# Altium PCB TIDA-01576_ADS8686S_ISO_Interface.PcbDoc (part 2 of 4)
Units mil, origin at the board's own origin, x right, y up, seen from the top; angles counter-clockwise.
Board outline 6102.36 x 3937.01 mil, 4 copper layers (Top Layer, VCC, GND, Bottom Layer), stack 61.6 mil thick; 358 components, 188 nets, 975 pads, 367 vias.
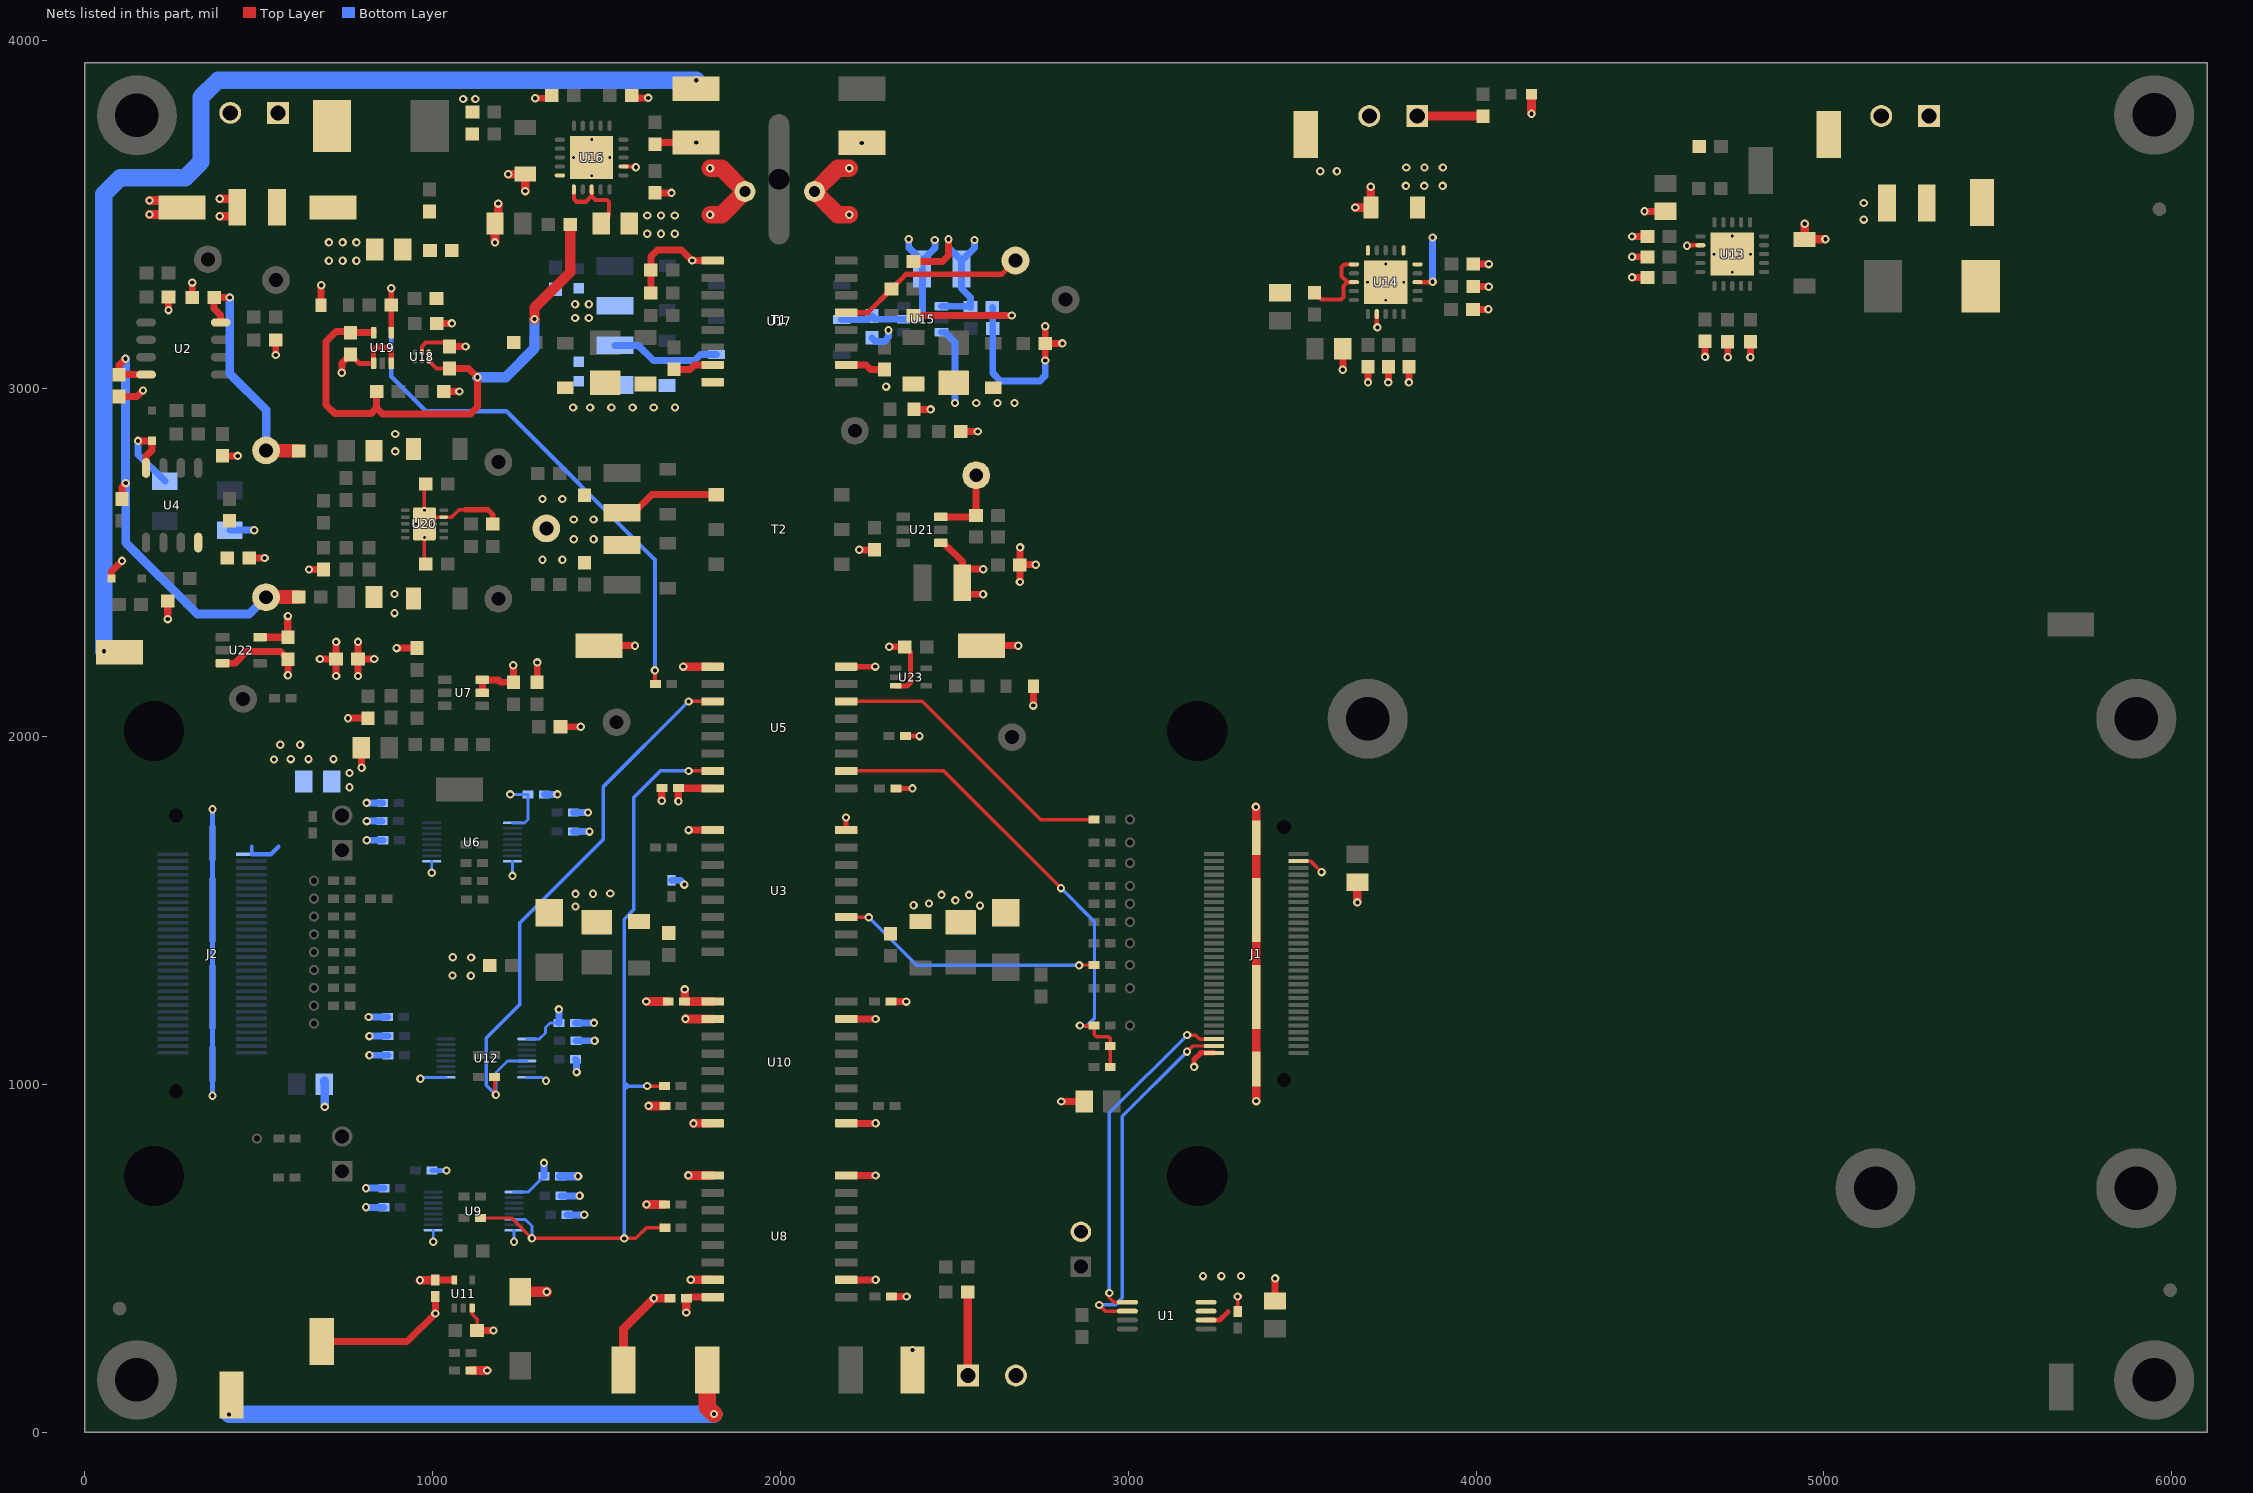
[diagram p4: the nets of this part, all layers, seen from the top]

## Part data
C1 C2 C3 C4 C5: "CAP, CERM, 10 µF, 10 V, +/- 10%, X7R, 0805", Cap_Case=0805, Manufacturer=MuRata, Supplier Part Number 1=490-3905-1-ND, TempCo=X7R, Tolerance_%=10, Value1="0.003 ohm", Value2=10V, ValueDisplayed=10µF, AEC Category=Q200, AEC Qualified=?, Cap_F=0.00001, ComponentLink1Description="Datasheet link", ComponentLink1URL=http://search.murata.co.jp/Ceramy/PnsearchViewAction.do?HnOFG=ON&HnNFG=ON&SEL_CNT=50&sLang=en&sKey=GRM21BR71A106KE51L&x=9&y=9&search=startwith, CompType=Capacitor, ESR_ohm=0.003, LatestRevisionDate=2015-11-13, MountType=SMT, PackageReference=0805, PartNumber=GRM21BR71A106KE51L, Polarized=N, Published=2008-06-19, Publisher="Texas Instruments", RoHS=Y, Supplier 1=Digi-Key, Supplier 2=Mouser, Supplier 3=Farnell, Supplier Part Number 2=81-GRM21BR71A106KE51, Supplier Part Number 3=1828828, SymbolVersion=2008-07-09, TaMax_C=125, TaMin_C=-55, Technology=Ceramic, U/M=EA, VDC_V=10
C6 C18 C19 C20 C22 C26 C27 C28 C29 C30 C31 C32 C34 C35: "CAP, CERM, 0.1 µF, 16 V, +/- 10%, X7R, 0402", Cap_Case=0402, Manufacturer=MuRata, Supplier Part Number 1=490-3261-1-ND, TempCo=X7R, Tolerance_%=10, Value1=Unknown, Value2=16V, ValueDisplayed=0.1µF, Cap_F=0.0000001, ComponentLink1Description="Datasheet link", ComponentLink1URL=http://search.murata.co.jp/Ceramy/PnsearchViewAction.do?HnOFG=ON&HnNFG=ON&SEL_CNT=50&sLang=en&sKey=GRM155R71C104KA88D&x=9&y=9&search=startwith, CompType=Capacitor, MountType=SMT, PackageReference=0402, PartNumber=GRM155R71C104KA88D, Polarized=N, Published=2008-06-19, Publisher="Texas Instruments", RoHS=Y, Supplier 1=Digi-Key, Supplier 2=Mouser, Supplier 3=Farnell, Supplier Part Number 2=81-GRM155R71C104KA88, Supplier Part Number 3=8819742, SymbolVersion=2008-07-09, TaMax_C=125, TaMin_C=-55, Technology=Ceramic, U/M=EA, VDC_V=16
  C6 C18 C19 C20 C22 C26 C27 C28 C29 C31 C32 C34 C35: LatestRevisionDate=2015-07-09
  C30: AEC Category=Q200, AEC Qualified=?, LatestRevisionDate=2015-08-22
C7 C9 C11: "CAP, CERM, 0.1uF, 25V, +/-5%, X7R, 0603", Cap_Case=0603, Manufacturer=AVX, Supplier Part Number 1=478-3713-1-ND, TempCo=X7R, Tolerance_%=5, Value1="0.05 ohm", Value2=25V, ValueDisplayed=0.1µF, Cap_F=0.0000001, ComponentLink1Description="Datasheet link", ComponentLink1URL=http://www.avx.com/docs/masterpubs/smccp.pdf, CompType=Capacitor, ESR_ohm=0.05, LatestRevisionDate=2013-12-06, MountType=SMT, PackageReference=0603, PartNumber=06033C104JAT2A, Polarized=N, Published=2008-06-19, Publisher="Texas Instruments", RoHS=Y, Supplier 1=Digi-Key, Supplier 2=Mouser, Supplier 3=Farnell, Supplier Part Number 2=581-06033C104JAT2A, Supplier Part Number 3=1740614, SymbolVersion=2008-07-09, TaMax_C=125, TaMin_C=-55, Technology=Ceramic, U/M=EA, VDC_V=25
C8 C17: library part C1608C0G1E103J, "CAP, CERM, 0.01uF, 25V, +/-5%, C0G/NP0, 0603", Cap_Case=0603, Manufacturer=TDK, Supplier Part Number 1=445-2664-1-ND, TempCo=C0G/NP0, Tolerance_%=5, Value1=Unknown, Value2=25V, ValueDisplayed=0.01µF, Cap_F=0.00000001, ComponentLink1Description="Datasheet link", ComponentLink1URL=http://www.tdk.co.jp/tefe02/e412_c.pdf, CompType=Capacitor, LatestRevisionDate=2013-12-06, MountType=SMT, PackageReference=0603, PartNumber=C1608C0G1E103J080AA, Polarized=N, Published=2008-06-19, Publisher="Texas Instruments", RoHS=Y, Supplier 1=Digi-Key, Supplier 2=Farnell, Supplier Part Number 2=1844146, SymbolVersion=2008-07-09, TaMax_C=125, TaMin_C=-55, Technology=Ceramic, U/M=EA, VDC_V=25
C10 C13 C55 C58: "CAP, CERM, 0.1uF, 50V, +/-10%, X7R, 0603", Cap_Case=0603, Manufacturer=Kemet, Supplier Part Number 1=399-5089-1-ND, TempCo=X7R, Tolerance_%=10, Value1=Unknown, Value2=50V, ValueDisplayed=0.1µF, Cap_F=0.0000001, ComponentLink1Description="Datasheet link", ComponentLink1URL=http://www.kemet.com/kemet/web/homepage/kechome.nsf/vapubfiles/F3102_Y5V.pdf/$file/F3102_Y5V.pdf, CompType=Capacitor, LatestRevisionDate=2013-12-06, MountType=SMT, PackageReference=0603, PartNumber=C0603C104K5RACTU, Polarized=N, Published=2008-06-19, Publisher="Texas Instruments", RoHS=Y, Supplier 1=Digi-Key, Supplier 2=Mouser, Supplier 3=Farnell, Supplier Part Number 2=80-C0603C104K5R, Supplier Part Number 3=1288255, SymbolVersion=2008-07-09, TaMax_C=125, TaMin_C=-55, Technology=Ceramic, U/M=EA, VDC_V=50
C12 C14 C56 C59: library part 293D106X9016B2TE3, "CAP, TA, 10 µF, 16 V, +/- 10%, 2 ohm, SMD", Cap_Case=B, Manufacturer=Vishay-Sprague, Supplier Part Number 1=399-3706-1-ND, Tolerance_%=10, Value1="2 ohm", Value2=16V, ValueDisplayed=10µF, Cap_F=0.00001, ComponentLink1Description="Datasheet link", ComponentLink1URL=http://www.vishay.com/docs/40002/293d.pdf, CompType=Capacitor, ESR_ohm=2, IRMS_A=0.21, LatestRevisionDate=2014-08-11, LatestRevisionNote="Updated supplier links", MountType=SMT, PackageReference=3528-21, PartNumber=T491B106K016AT, Polarized=Y, Publisher="Texas Instruments", RoHS=Y, Series=293D, Supplier 1=Digi-Key, SymbolVersion=2008-07-09, TaMax_C=125, TaMin_C=-55, Technology=TA, U/M=EA, VDC_V=16
C15 C16 C57 C60: "CAP, CERM, 10 µF, 50 V, +/- 10%, X5R, 1206", Cap_Case=1206, Manufacturer=MuRata, Supplier Part Number 1=490-5961-1-ND, TempCo=X5R, Tolerance_%=10, Value1=Unknown, Value2=50V, ValueDisplayed=10µF, AEC Category=Q200, AEC Grade=N/A, AEC Qualified=N, Cap_F=0.00001, ComponentLink1Description="Datasheet link", ComponentLink1URL=http://search.murata.co.jp/Ceramy/image/img/A01X/G101/ENG/GRM31CR61H106KA12-01.pdf, CompType=Capacitor, LatestRevisionDate=2016-10-28, MountType=SMT, PackageReference=1206, PartNumber=GRM31CR61H106KA12L, Polarized=N, Published=2008-06-19, Publisher="Texas Instruments", RoHS=Y, SizeArea_mm2=5.12, SizeAreaWB_mm2=10.92, SizeX_mm=3.2, SizeY_mm=1.6, SizeZ_mm=1.8, Supplier 1=Digi-Key, Supplier 2=Mouser, Supplier 3=Farnell, Supplier Part Number 2=81-GRM31CR61H106KA2L, Supplier Part Number 3=1845762RL, SymbolVersion=2008-07-09, TaMax_C=85, TaMin_C=-55, Technology=Ceramic, U/M=EA, VDC_V=50
C21 C33: "CAP, CERM, 1 µF, 25 V, +/- 10%, X7R, 0603", Cap_Case=0603, Manufacturer=MuRata, Supplier Part Number 1=490-5307-1-ND, TempCo=X7R, Tolerance_%=10, Value1=Unknown, Value2=25V, ValueDisplayed=1µF, AEC Category=Q200, AEC Qualified=?, Cap_F=0.000001, ComponentLink1Description="Datasheet link", ComponentLink1URL=http://search.murata.co.jp/Ceramy/PnsearchViewAction.do?HnOFG=ON&HnNFG=ON&SEL_CNT=50&sLang=en&sKey=GRM188R71E105KA12D&x=9&y=9&search=startwith, CompType=Capacitor, MountType=SMT, PackageReference=0603, PartNumber=GRM188R71E105KA12D, Polarized=N, Published=2008-06-19, Publisher="Texas Instruments", RoHS=Y, Supplier 1=Digi-Key, Supplier 2=Mouser, Supplier 3=Farnell, Supplier Part Number 2=81-GRM188R71E105KA2D, Supplier Part Number 3=1735540, SymbolVersion=2008-07-09, TaMax_C=125, TaMin_C=-55, Technology=Ceramic, U/M=EA, VDC_V=25
  C21: LatestRevisionDate=2015-08-18
  C33: LatestRevisionDate=2015-08-22
C23: "CAP, CERM, 15 pF, 50 V, +/- 5%, C0G/NP0, 0603", Cap_Case=0603, Manufacturer=MuRata, Supplier Part Number 1=490-1407-1-ND, TempCo=C0G/NP0, Tolerance_%=5, Value1=Unknown, Value2=50V, ValueDisplayed=15pF, AEC Category=Q200, AEC Qualified=?, Cap_F=0.000000000015, ComponentLink1Description="Datasheet link", ComponentLink1URL=http://search.murata.co.jp/Ceramy/PnsearchViewAction.do?HnOFG=ON&HnNFG=ON&SEL_CNT=50&sLang=en&sKey=GRM1885C1H150JA01D&x=9&y=9&search=startwith, CompType=Capacitor, LatestRevisionDate=2016-10-28, MountType=SMT, PackageReference=0603, PartNumber=GRM1885C1H150JA01D, Polarized=N, Published=2008-06-19, Publisher="Texas Instruments", RoHS=Y, SizeArea_mm2=1.28, SizeAreaWB_mm2=4.68, SizeX_mm=1.6, SizeY_mm=0.8, SizeZ_mm=1, Supplier 1=Digi-Key, Supplier 2=Mouser, Supplier 3=Farnell, Supplier Part Number 2=81-GRM39C150J50, Supplier Part Number 3=8819823, SymbolVersion=2008-07-09, TaMax_C=125, TaMin_C=-55, Technology=Ceramic, U/M=EA, VDC_V=50
C24: "CAP, CERM, 10 µF, 16 V, +/- 10%, X7R, 0805", Cap_Case=0805, Manufacturer="Samsung Electro-Mechanics", TempCo=X7R, Tolerance_%=10, Value1=Unknown, Value2=16V, ValueDisplayed=10µF, AEC Category=Q200, AEC Qualified=?, Cap_F=0.00001, ComponentLink1Description="Datasheet link", ComponentLink1URL=http://www.samsungsem.com/servlet/FileDownload?type=spec&file=CL21B106KOQNNNE.pdf, CompType=Capacitor, LatestRevisionDate=2016-10-28, MountType=SMT, PackageReference=0805, PartNumber=CL21B106KOQNNNE, Polarized=N, Published=2008-06-19, Publisher="Texas Instruments", RoHS=Y, SizeArea_mm2=2.5, SizeAreaWB_mm2=6.75, SizeX_mm=2, SizeY_mm=1.25, SizeZ_mm=1.45, SymbolVersion=2008-07-09, TaMax_C=125, TaMin_C=-55, Technology=Ceramic, U/M=EA, VDC_V=16
C25: "CAP, CERM, 0.01 µF, 25 V, +/- 10%, X7R, 0603", Cap_Case=0603, Manufacturer=MuRata, Supplier Part Number 1=490-1520-1-ND, TempCo=X7R, Tolerance_%=10, Value1=Unknown, Value2=25V, ValueDisplayed=0.01µF, AEC Category=Q200, AEC Qualified=?, Cap_F=0.00000001, ComponentLink1Description="Datasheet link", ComponentLink1URL=http://search.murata.co.jp/Ceramy/PnsearchViewAction.do?HnOFG=ON&HnNFG=ON&SEL_CNT=50&sLang=en&sKey=GRM188R71E103KA01D&x=9&y=9&search=startwith, CompType=Capacitor, LatestRevisionDate=2016-10-28, MountType=SMT, PackageReference=0603, PartNumber=GRM188R71E103KA01D, Polarized=N, Published=2008-06-19, Publisher="Texas Instruments", RoHS=Y, SizeArea_mm2=1.28, SizeAreaWB_mm2=4.68, SizeX_mm=1.6, SizeY_mm=0.8, SizeZ_mm=1, Supplier 1=Digi-Key, Supplier 2=Mouser, Supplier Part Number 2=81-GRM39X103K25, SymbolVersion=2008-07-09, TaMax_C=125, TaMin_C=-55, Technology=Ceramic, U/M=EA, VDC_V=25
C36: library part 202R18W102KV4E, "CAP CER 1000PF 1KV 10% RADIAL", Manufacturer="Vishay BC Components", PartNumber=S102K29Y5PN63J5R, Supplier Part Number 1=1251PH-ND, Tolerance_%=0, Value2=1kv, ValueDisplayed=1000pF, ComponentLink1Description="Datasheet link", ComponentLink1URL=http://www.johansondielectrics.com/images/stories/catalog/JDI-Product-Catalog.pdf, CompType=Capacitor, MountType=radial, Polarized=N, Publisher="Texas Instruments", RoHS=Y, Supplier 1=Digi-Key, Technology=Ceramic
C37 C44: library part CMP-0009226-3, "CAP, CERM, 10 uF, 50 V, +/- 10%, X7R, 1210", Cap_Case=1210, Manufacturer=MuRata, Supplier Part Number 1=490-6544-1-ND, TempCo=X7R, Tolerance_%=10%, Value1=Unknown, Value2=50V, ValueDisplayed=10uF, AEC Category=Q200, AEC Grade=N/A, AEC Qualified=N, Cap_F=10µF, ComponentLink1Description="Datasheet link", ComponentLink1URL=http://search.murata.co.jp/Ceramy/image/img/A01X/G101/ENG/GRM32ER71H106KA12-04A.pdf, CompType=Capacitor, MountType=SMT, PackageReference=1210, PartNumber=GRM32ER71H106KA12L, Polarized=N, RoHS=Y, SizeArea_mm2=8, SizeAreaWB_mm2=14.7, SizeX_mm=3.2, SizeY_mm=2.5, SizeZ_mm=2.7, Supplier 1=Digi-Key, Supplier 2=Newark, Supplier 3=Mouser, Supplier Part Number 2=40X5911, Supplier Part Number 3=81-GRM32ER71H106KA2L, TaMax_C=125°C, TaMin_C=-55°C, Technology=Ceramic, U/M=EA, VDC_V=50V
C38 C41: library part CMP-0008656-1, "CAP, CERM, 47 uF, 25 V, +/- 20%, X5R, 1206_190", Cap_Case=1206, Manufacturer=TDK, Supplier Part Number 1=445-8047-1-ND, TempCo=X5R, Tolerance_%=20%, Value1=Unknown, Value2=25V, ValueDisplayed=47uF, AEC Category=Q200, AEC Grade=N/A, AEC Qualified=N, Cap_F=47µF, ComponentLink1Description="Datasheet link", ComponentLink1URL=https://product.tdk.com/info/en/catalog/datasheets/mlcc_commercial_general_en.pdf, CompType=Capacitor, LatestRevisionDate=2017-03-09, MountType=SMT, PackageReference=1206_190, PartNumber=C3216X5R1E476M160AC, Polarized=N, Published=2008-06-19, Publisher="Texas Instruments", RoHS=Y, SizeArea_mm2=5.12, SizeAreaWB_mm2=10.92, SizeX_mm=3.2, SizeY_mm=1.6, SizeZ_mm=1.9, Supplier 1=Digi-Key, TaMax_C=85°C, TaMin_C=-55°C, Technology=Ceramic, U/M=EA, VDC_V=25V
C39 C42 C49: library part CMP-0007037-1, "CAP, CERM, 1 uF, 16 V, +/- 10%, X7R, 0603", Cap_Case=0603, Manufacturer=TDK, Supplier Part Number 1=445-1604-1-ND, TempCo=X7R, Tolerance_%=10%, Value1="0.0057 ohm", Value2=16V, ValueDisplayed=1uF, AEC Category=Q200, AEC Qualified=?, Cap_F=1µF, ComponentLink1Description="Datasheet link", ComponentLink1URL=http://www.tdk.co.jp/tefe02/e412_c.pdf, CompType=Capacitor, ESR_ohm=5.7m, LatestRevisionDate=2017-03-09, MountType=SMT, PackageReference=0603, PartNumber=C1608X7R1C105K080AC, Polarized=N, Published=2008-06-19, Publisher="Texas Instruments", RoHS=Y, SizeArea_mm2=1.28, SizeAreaWB_mm2=4.68, SizeX_mm=1.6, SizeY_mm=0.8, SizeZ_mm=1, Supplier 1=Digi-Key, Supplier 2=Newark, Supplier 3=Mouser, Supplier Part Number 2=90R7686, Supplier Part Number 3=810-C1608X7R1C105K, TaMax_C=125°C, TaMin_C=-55°C, Technology=Ceramic, U/M=EA, VDC_V=16V
C40 C43 C50: library part CMP-0007825-1, "CAP, CERM, 47 uF, 10 V, +/- 20%, X5R, 0805", Cap_Case=0805, Manufacturer=TDK, Supplier Part Number 1=445-8239-1-ND, TempCo=X5R, Tolerance_%=20%, Value1="0.00294 ohm", Value2=10V, ValueDisplayed=47uF, AEC Category=Q200, AEC Grade=N/A, AEC Qualified=N, Cap_F=47µF, ComponentLink1Description="Datasheet link", ComponentLink1URL=https://product.tdk.com/en/search/capacitor/ceramic/mlcc/info?part_no=C2012X5R1A476M125AC, CompType=Capacitor, ESR_ohm=2.94m, IRMS_A=3.80451A, LatestRevisionDate=2017-03-09, MountType=SMT, PackageReference=0805, PartNumber=C2012X5R1A476M125AC, Polarized=N, Published=2008-06-19, Publisher="Texas Instruments", RoHS=Y, SizeArea_mm2=2.5, SizeAreaWB_mm2=6.75, SizeX_mm=2, SizeY_mm=1.25, SizeZ_mm=1.45, Supplier 1=Digi-Key, Supplier 2=Mouser, Supplier Part Number 2=810-C2012X5R1A476M125AC, TaMax_C=85°C, TaMin_C=-55°C, Technology=Ceramic, U/M=EA, VDC_V=10V
C45 C51 C53 C64 C71 C76: library part GMK325AB7106MM-T, "CAP, CERM, 10uF, 35V, +/-20%, X7R, 1210", Cap_Case=1210, Manufacturer="Taiyo Yuden", Supplier Part Number 1=587-2779-1-ND, TempCo=X7R, Tolerance_%=20, Value1=Unknown, Value2=35V, ValueDisplayed=10µF, Cap_F=0.00001, ComponentLink1Description="Datasheet link", ComponentLink1URL=http://www.yuden.co.jp/productdata/catalog/en/mlcc01_e.pdf, CompType=Capacitor, LatestRevisionDate=2013-12-06, MountType=SMT, PackageReference=1210, PartNumber=GMK325AB7106MM-T, Polarized=N, Published=2008-06-19, Publisher="Texas Instruments", RoHS=Y, Supplier 1=Digi-Key, Supplier 2=Mouser, Supplier 3=Farnell, Supplier Part Number 2=963-GMK325AB7106MM-T, Supplier Part Number 3=1894510, SymbolVersion=2008-07-09, TaMax_C=125, TaMin_C=-55, Technology=Ceramic, U/M=EA, VDC_V=35
C46 C47 C52 C54 C65 C66 C72 C77: library part C0603C104K5RACTU, "CAP, CERM, 0.1uF, 50V, +/-10%, X7R, 0603", Cap_Case=0603, Manufacturer=Kemet, Supplier Part Number 1=399-5089-1-ND, TempCo=X7R, Tolerance_%=10, Value1=Unknown, Value2=50V, ValueDisplayed=0.1µF, Cap_F=0.0000001, ComponentLink1Description="Datasheet link", ComponentLink1URL=http://www.kemet.com/kemet/web/homepage/kechome.nsf/vapubfiles/F3102_Y5V.pdf/$file/F3102_Y5V.pdf, CompType=Capacitor, LatestRevisionDate=2013-12-06, MountType=SMT, PackageReference=0603, PartNumber=C0603C104K5RACTU, Polarized=N, Published=2008-06-19, Publisher="Texas Instruments", RoHS=Y, Supplier 1=Digi-Key, Supplier 2=Mouser, Supplier 3=Farnell, Supplier Part Number 2=80-C0603C104K5R, Supplier Part Number 3=1288255, SymbolVersion=2008-07-09, TaMax_C=125, TaMin_C=-55, Technology=Ceramic, U/M=EA, VDC_V=50
C48: library part CMP-0008656-2, "CAP, CERM, 47 uF, 25 V, +/- 20%, X5R, 1206_190", Cap_Case=1206, Manufacturer=TDK, Supplier Part Number 1=445-8047-1-ND, TempCo=X5R, Tolerance_%=20%, Value1=Unknown, Value2=25V, ValueDisplayed=47uF, AEC Category=Q200, AEC Grade=N/A, AEC Qualified=N, Cap_F=47µF, ComponentLink1Description="Datasheet link", ComponentLink1URL=https://product.tdk.com/info/en/catalog/datasheets/mlcc_commercial_general_en.pdf, CompType=Capacitor, LatestRevisionDate=2017-03-09, MountType=SMT, PackageReference=1206_190, PartNumber=C3216X5R1E476M160AC, Polarized=N, Published=2008-06-19, Publisher="Texas Instruments", RoHS=Y, SizeArea_mm2=5.12, SizeAreaWB_mm2=10.92, SizeX_mm=3.2, SizeY_mm=1.6, SizeZ_mm=1.9, Supplier 1=Digi-Key, TaMax_C=85°C, TaMin_C=-55°C, Technology=Ceramic, U/M=EA, VDC_V=25V
C61: library part CMP-0006762-4, "CAP, CERM, 100 pF, 50 V, +/- 1%, C0G/NP0, 0603", Cap_Case=0603, Manufacturer=AVX, Supplier Part Number 1=478-6202-1-ND, TempCo=C0G/NP0, Tolerance_%=1%, Value1=Unknown, Value2=50V, ValueDisplayed=100pF, AEC Category=Q200, AEC Grade=N/A, AEC Qualified=N, Cap_F=100pF, ComponentLink1Description="Datasheet link", ComponentLink1URL=http://datasheets.avx.com/C0GNP0-Dielectric.pdf, CompType=Capacitor, LatestRevisionDate=2017-03-09, MountType=SMT, PackageReference=0603, PartNumber=06035A101FAT2A, Polarized=N, Published=2008-06-19, Publisher="Texas Instruments", RoHS=Y, SizeArea_mm2=1.28, SizeAreaWB_mm2=4.68, SizeX_mm=1.6, SizeY_mm=0.8, SizeZ_mm=1, Supplier 1=Digi-Key, Supplier 2=Newark, Supplier 3=Mouser, Supplier Part Number 2=95W2725, Supplier Part Number 3=581-06035A101F, TaMax_C=125°C, TaMin_C=-55°C, Technology=Ceramic, U/M=EA, VDC_V=50V
C62 C63 C81: library part CMP-0006861-4, "CAP, CERM, 0.1 uF, 50 V, +/- 10%, X7R, 0603", Cap_Case=0603, Manufacturer=Kemet, Supplier Part Number 1=399-5089-1-ND, TempCo=X7R, Tolerance_%=10%, Value1=Unknown, Value2=50V, ValueDisplayed=0.1uF, AEC Category=Q200, AEC Qualified=?, Cap_F=100nF, ComponentLink1Description="Datasheet link", ComponentLink1URL=http://www.kemet.com/kemet/web/homepage/kechome.nsf/vapubfiles/F3102_Y5V.pdf/$file/F3102_Y5V.pdf, CompType=Capacitor, LatestRevisionDate=2017-03-09, MountType=SMT, PackageReference=0603, PartNumber=C0603C104K5RACTU, Polarized=N, Published=2008-06-19, Publisher="Texas Instruments", RoHS=Y, SizeArea_mm2=1.28, SizeAreaWB_mm2=4.68, SizeX_mm=1.6, SizeY_mm=0.8, SizeZ_mm=1, Supplier 1=Digi-Key, Supplier 2=Mouser, Supplier 3=Farnell, Supplier Part Number 2=80-C0603C104K5R, Supplier Part Number 3=1288255, TaMax_C=125°C, TaMin_C=-55°C, Technology=Ceramic, U/M=EA, VDC_V=50V
C67 C78: library part CL31B106KBHNNNE, "CAP, CERM, 10µF ±20% 50V Ceramic Capacitor X7R 1210", Cap_Case=1206, Manufacturer=Kemet, Supplier Part Number 1=399-11630-1-ND, TempCo=X7R, Tolerance_%=10, Value1=Unknown, Value2=50V, ValueDisplayed=10µF, AEC Category=Q200, AEC Grade=N/A, AEC Qualified=N, Cap_F=0.00001, ComponentLink1Description="Datasheet link", ComponentLink1URL=https://www.samsungsem.com/kr/front/downloadcms.do?path=%2Fkr%2Fsupport%2Fproduct-search%2Fmlcc%2F__icsFiles%2Fafieldfile%2F2016%2F01%2F04&fileName=Data+sheet_CL31B106KBHNNNE.pdf, CompType=Capacitor, LatestRevisionDate=2017-05-28, MountType=SMT, PackageReference=1206, PartNumber=C1210C106M5RACTU, Polarized=N, Published=2008-06-19, Publisher="Texas Instruments", RoHS=Y, SizeArea_mm2=5.12, SizeAreaWB_mm2=10.92, SizeX_mm=3.2, SizeY_mm=1.6, SizeZ_mm=1.8, Supplier 1=Digi-Key, SymbolVersion=2008-07-09, TaMax_C=125, TaMin_C=-55, Technology=Ceramic, U/M=EA, VDC_V=50
C68 C79: library part 885012206052, "CAP, CERM,  1µF ±10% 25V Ceramic Capacitor X7R 0603", Cap_Case=0603, Manufacturer=TDK, Supplier Part Number 1=445-5956-1-ND, TempCo=X7R, Tolerance_%=10, Value1=Unknown, Value2=16V, ValueDisplayed=1µF, AEC Category=Q200, AEC Grade=N/A, AEC Qualified=N, Cap_F=0.000001, ComponentLink1Description="Datasheet link", ComponentLink1URL=http://katalog.we-online.de/pbs/datasheet/885012206052.pdf, CompType=Capacitor, Green_EU RoHS=Passed, Green_EU RoHS-2=Incomplete, Green_Lifecycle=Active, Green_REACh=Passed, LatestRevisionDate=2017-05-28, MountType=SMT, PackageReference=0603, PartNumber=C1608X7R1E105K080AB, Polarized=N, Published=2008-06-19, Publisher="Texas Instruments", RoHS=Y, SizeArea_mm2=1.28, SizeAreaWB_mm2=4.68, SizeX_mm=1.6, SizeY_mm=0.8, SizeZ_mm=1, Supplier 1=Digi-Key, SymbolVersion=2008-07-09, TaMax_C=125, TaMin_C=-55, Technology=Ceramic, U/M=EA, VDC_V=16
C69 C73: library part 06033C104JAT2A, "0.1µF ±10% 35V Ceramic Capacitor X5R 0603", Cap_Case=0603, Manufacturer="Taiyo Yuden", Supplier Part Number 1=587-3357-1-ND, TempCo=X7R, Tolerance_%=5, Value1="0.05 ohm", Value2=25V, ValueDisplayed=0.1µF, AEC Category=Q200, AEC Grade=N/A, AEC Qualified=N, Cap_F=0.0000001, ComponentLink1Description="Datasheet link", ComponentLink1URL=http://datasheets.avx.com/X7RDielectric.pdf, CompType=Capacitor, ESR_ohm=0.05, LatestRevisionDate=2017-04-15, MountType=SMT, PackageReference=0603, PartNumber=GMK107BJ104KAHT, Polarized=N, Published=2008-06-19, Publisher="Texas Instruments", RoHS=Y, SizeArea_mm2=1.28, SizeAreaWB_mm2=4.68, SizeX_mm=1.6, SizeY_mm=0.8, SizeZ_mm=1, Supplier 1=Digi-Key, SymbolVersion=2008-07-09, TaMax_C=125, TaMin_C=-55, Technology=Ceramic, U/M=EA, VDC_V=25
C70 C74: "CAP, CERM, 2.2uF, 10V, +/-10%, X7R, 0805", Cap_Case=0805, Manufacturer=Kemet, Supplier Part Number 1=399-3522-1-ND, TempCo=X7R, Tolerance_%=10, Value1="0.008 ohm", Value2=10V, ValueDisplayed=2.2µF, Cap_F=0.0000022, ComponentLink1Description="Datasheet link", ComponentLink1URL=http://www.kemet.com/kemet/web/homepage/kechome.nsf/file/Partial%20Copy%20-%20Ceramic%20Surface%20Mount%20Capacitors/$file/F3102_CE.pdf, CompType=Capacitor, ESR_ohm=0.008, IRMS_A=15.55, LatestRevisionDate=2014-05-28, MountType=SMT, PackageReference=0805, PartNumber=C0805C225K8RACTU, Polarized=N, Published=2008-06-19, Publisher="Texas Instruments", RoHS=Y, Supplier 1=Digi-Key, Supplier 2=Mouser, Supplier Part Number 2=80-C0805C225K8R, SymbolVersion=2008-07-09, TaMax_C=125, TaMin_C=-55, Technology=Ceramic, U/M=EA, VDC_V=10
C75: "CAP, CERM, 0.01 µF, 6.3 V, +/- 10%, X7R, 0603", Cap_Case=0603, Manufacturer=MuRata, Supplier Part Number 1=GRM188R70J103KA01D-ND, TempCo=X7R, Tolerance_%=10, Value1=Unknown, Value2=6.3V, ValueDisplayed=0.01µF, Cap_F=0.00000001, ComponentLink1Description="Datasheet link", ComponentLink1URL=http://search.murata.co.jp/Ceramy/PnsearchViewAction.do?HnOFG=ON&HnNFG=ON&SEL_CNT=50&sLang=en&sKey=GRM188R70J103KA01D&x=9&y=9&search=startwith, CompType=Capacitor, LatestRevisionDate=2015-02-10, MountType=SMT, PackageReference=0603, PartNumber=GRM188R70J103KA01D, Polarized=N, Published=2008-06-19, Publisher="Texas Instruments", RoHS=Y, Supplier 1=Digi-Key, SymbolVersion=2008-07-09, TaMax_C=125, TaMin_C=-55, Technology=Ceramic, U/M=EA, VDC_V=6.3
C80: "CAP, CERM, 0.1 µF, 25 V,+/- 10%, X5R, 0603", Cap_Case=0603, Manufacturer=AVX, Supplier Part Number 1=478-1244-1-ND, TempCo=X5R, Tolerance_%=10, Value1="0.048 ohm", Value2=25V, ValueDisplayed=0.1µF, AEC Category=Q200, AEC Grade=N/A, AEC Qualified=N, Cap_F=0.0000001, ComponentLink1Description="Datasheet link", ComponentLink1URL=http://datasheets.avx.com/cx5r.pdf, CompType=Capacitor, ESR_ohm=0.048, Green_EU RoHS=Passed, Green_EU RoHS-2=Incomplete, Green_Lifecycle=Active, Green_REACh=Passed, IRMS_A=0.53, LatestRevisionDate=2017-06-22, MountType=SMT, PackageReference=0603, PartNumber=06033D104KAT2A, Polarized=N, Published=2008-06-19, Publisher="Texas Instruments", RoHS=Y, SizeArea_mm2=1.28, SizeAreaWB_mm2=4.68, SizeX_mm=1.6, SizeY_mm=0.8, SizeZ_mm=1, Supplier 1=Digi-Key, Supplier 2=Mouser, Supplier Part Number 2=581-06033D104K, SymbolVersion=2008-07-09, TaMax_C=85, TaMin_C=-55, Technology=Ceramic, U/M=EA, VDC_V=25
D1 D2: library part PTZTE255.6B, "DIODE ZENER 4.1V 1W PMDS", Manufacturer="Rohm Semiconductor", Supplier Part Number 1=PTZTE253.9BCT-ND, Value1=1W, ComponentLink1Description="Datasheet link", ComponentLink1URL=http://rohmfs.rohm.com/en/products/databook/datasheet/discrete/diode/zener/ptz5.6b.pdf, CompType=Zener, MountType=SMT, PackageReference="DO-214AC, SMA", PartNumber=PTZTE253.9B, Publisher="Texas Instruments", RoHS=Y, Supplier 1=Digi-Key, U/M=EA, Vr_V=N/A, Vz_V=3.9
D3 D4: library part CMP-0076995-1, "Diode, Schottky, 200 V, 4 A, SMC", Manufacturer="ON Semiconductor", Supplier Part Number 1=MBRS4201T3GOSCT-ND, Value1=4A, Value2=0.86V, AEC Category=Q101, AEC Qualified=?, ComponentLink1Description="Datasheet link", ComponentLink1URL=http://www.onsemi.com/pub_link/Collateral/MBRS4201T3-D.PDF, CompType=Diode, Green_EU RoHS=Incomplete, Green_EU RoHS-2=Incomplete, Green_Lifecycle="Not Set", Green_REACh=Incomplete, Io_A=4A, LatestRevisionDate=2017-07-25, MountType=SMT, PackageReference=SMC, PartNumber=MBRS4201T3G, Published=2008-06-26, Publisher="Texas Instruments", RoHS=Y, SizeArea_mm2=50.5686, SizeAreaWB_mm2=83.2686, SizeX_mm=8.13, SizeY_mm=6.22, SizeZ_mm=2.6, Supplier 1=Digi-Key, Supplier 2=Newark, Supplier 3=Mouser, Supplier Part Number 2=29X6031, Supplier Part Number 3=863-MBRS4201T3G, TJmax_C=150°C, Type=Schottky, U/M=EA, Vf_V=860mV, Vr_V=200V
D5 D6: "Diode, Switching, 100 V, 0.2 A, SOD-323", Manufacturer="Diodes Inc.", Supplier Part Number 1=BAV19WS-FDICT-ND, Value1=0.2A, Value2=1.25V, AEC Category=Q101, AEC Qualified=?, ComponentLink1Description="Datasheet link", ComponentLink1URL=http://www.diodes.com/datasheets/ds30119.pdf, CompType=Diode, Io_A=0.2, LatestRevisionDate=2016-07-19, MountType=SMT, PackageReference=SOD-323, PartNumber=BAV19WS-7-F, Published=2008-06-26, Publisher="Texas Instruments", RoHS=Y, SizeArea_mm2=3.645, SizeAreaWB_mm2=8.695, SizeX_mm=2.7, SizeY_mm=1.35, SizeZ_mm=1, Supplier 1=Digi-Key, Supplier 2=Mouser, Supplier Part Number 2=621-BAV19WS-F, SymbolVersion=2008-12-08, TJmax_C=150, Type=Switching, U/M=EA, Vf_V=1.25, Vr_V=100
D7 D9: library part MBR0520LT1G, "Diode, Schottky, 20V, 0.5A, SOD-123", Manufacturer="Fairchild Semiconductor", Supplier Part Number 1=MBR0520LCT-ND, Value1=0.5A, Value2=0.385V, ComponentLink1Description="Datasheet link", ComponentLink1URL=http://www.onsemi.com/pub_link/Collateral/MBR0520LT1-D.PDF, CompType=Diode, Io_A=0.5, LatestRevisionDate=2013-12-18, MountType=SMT, PackageReference=SOD-123, PartNumber=MBR0520L, Published=2008-06-26, Publisher="Texas Instruments", RJC_CperW=150, RoHS=Y, Supplier 1=Digi-Key, Supplier 2=Mouser, Supplier 3=Farnell, Supplier Part Number 2=863-MBR0520LT1G, Supplier Part Number 3=9556915, SymbolVersion=2008-12-08, TJmax_C=125, Type=Schottky, U/M=EA, Vf_V=0.385, Vr_V=20
D8 D10: "Diode, Zener, 5.6 V, 500 mW, SOD-123", Manufacturer="Diodes Inc.", Power_W=0.5, Supplier Part Number 1=MMSZ5232B-FDICT-ND, Value1=0.5W, AEC Category=Q101, AEC Qualified=?, ComponentLink1Description="Datasheet link", ComponentLink1URL=http://www.diodes.com/datasheets/ds18010.pdf, CompType=Zener, LatestRevisionDate=2016-03-21, LatestRevisionNote="Updated Supplier Data", MountType=SMT, PackageReference=SOD-123, PartNumber=MMSZ5232B-7-F, Published=2008-10-08, Publisher="Texas Instruments", RJA_CperW=350, RoHS=Y, Supplier 1=Digi-Key, Supplier 2=Mouser, Supplier 3=Farnell, Supplier Part Number 2=621-MMSZ5232B-F, Supplier Part Number 3=2061469, SymbolCreator=a0412235, SymbolVersion=2010-08-25, U/M=EA, Vr_V=N/A, Vz_V=5.6
D11 D14: "LED, Green, SMD", Color=Green, Manufacturer=OSRAM, Supplier Part Number 1=475-1406-1-ND, Value1=W, Value2=1.8V, Angle=120, ComponentLink1Description="Datasheet link", ComponentLink1URL=http://www.digikey.com/product-detail/en/LG%20M67K-G1J2-24-Z/475-1406-1-ND/1802594, CompType=LED, Io_A=0.002, LatestRevisionDate=2016-09-26, MountType=SMT, PackageReference=2x1.4mm, PartNumber="LG M67K-G1J2-24-Z", Published=2008-07-11, Publisher="Texas Instruments", RoHS=Y, Supplier 1=Digi-Key, Supplier 2=Mouser, Supplier Part Number 2=720-LGM67KG1J224Z, SymbolCreator=Altium, SymbolVersion=2015-01-20, TJmax_C=125, Type=AlInGaP, U/M=EA, Vf_V=1.8, Vr_V=12